# Altium PCB GEM_AFE_128.PcbDoc (part 12 of 18) (continued)
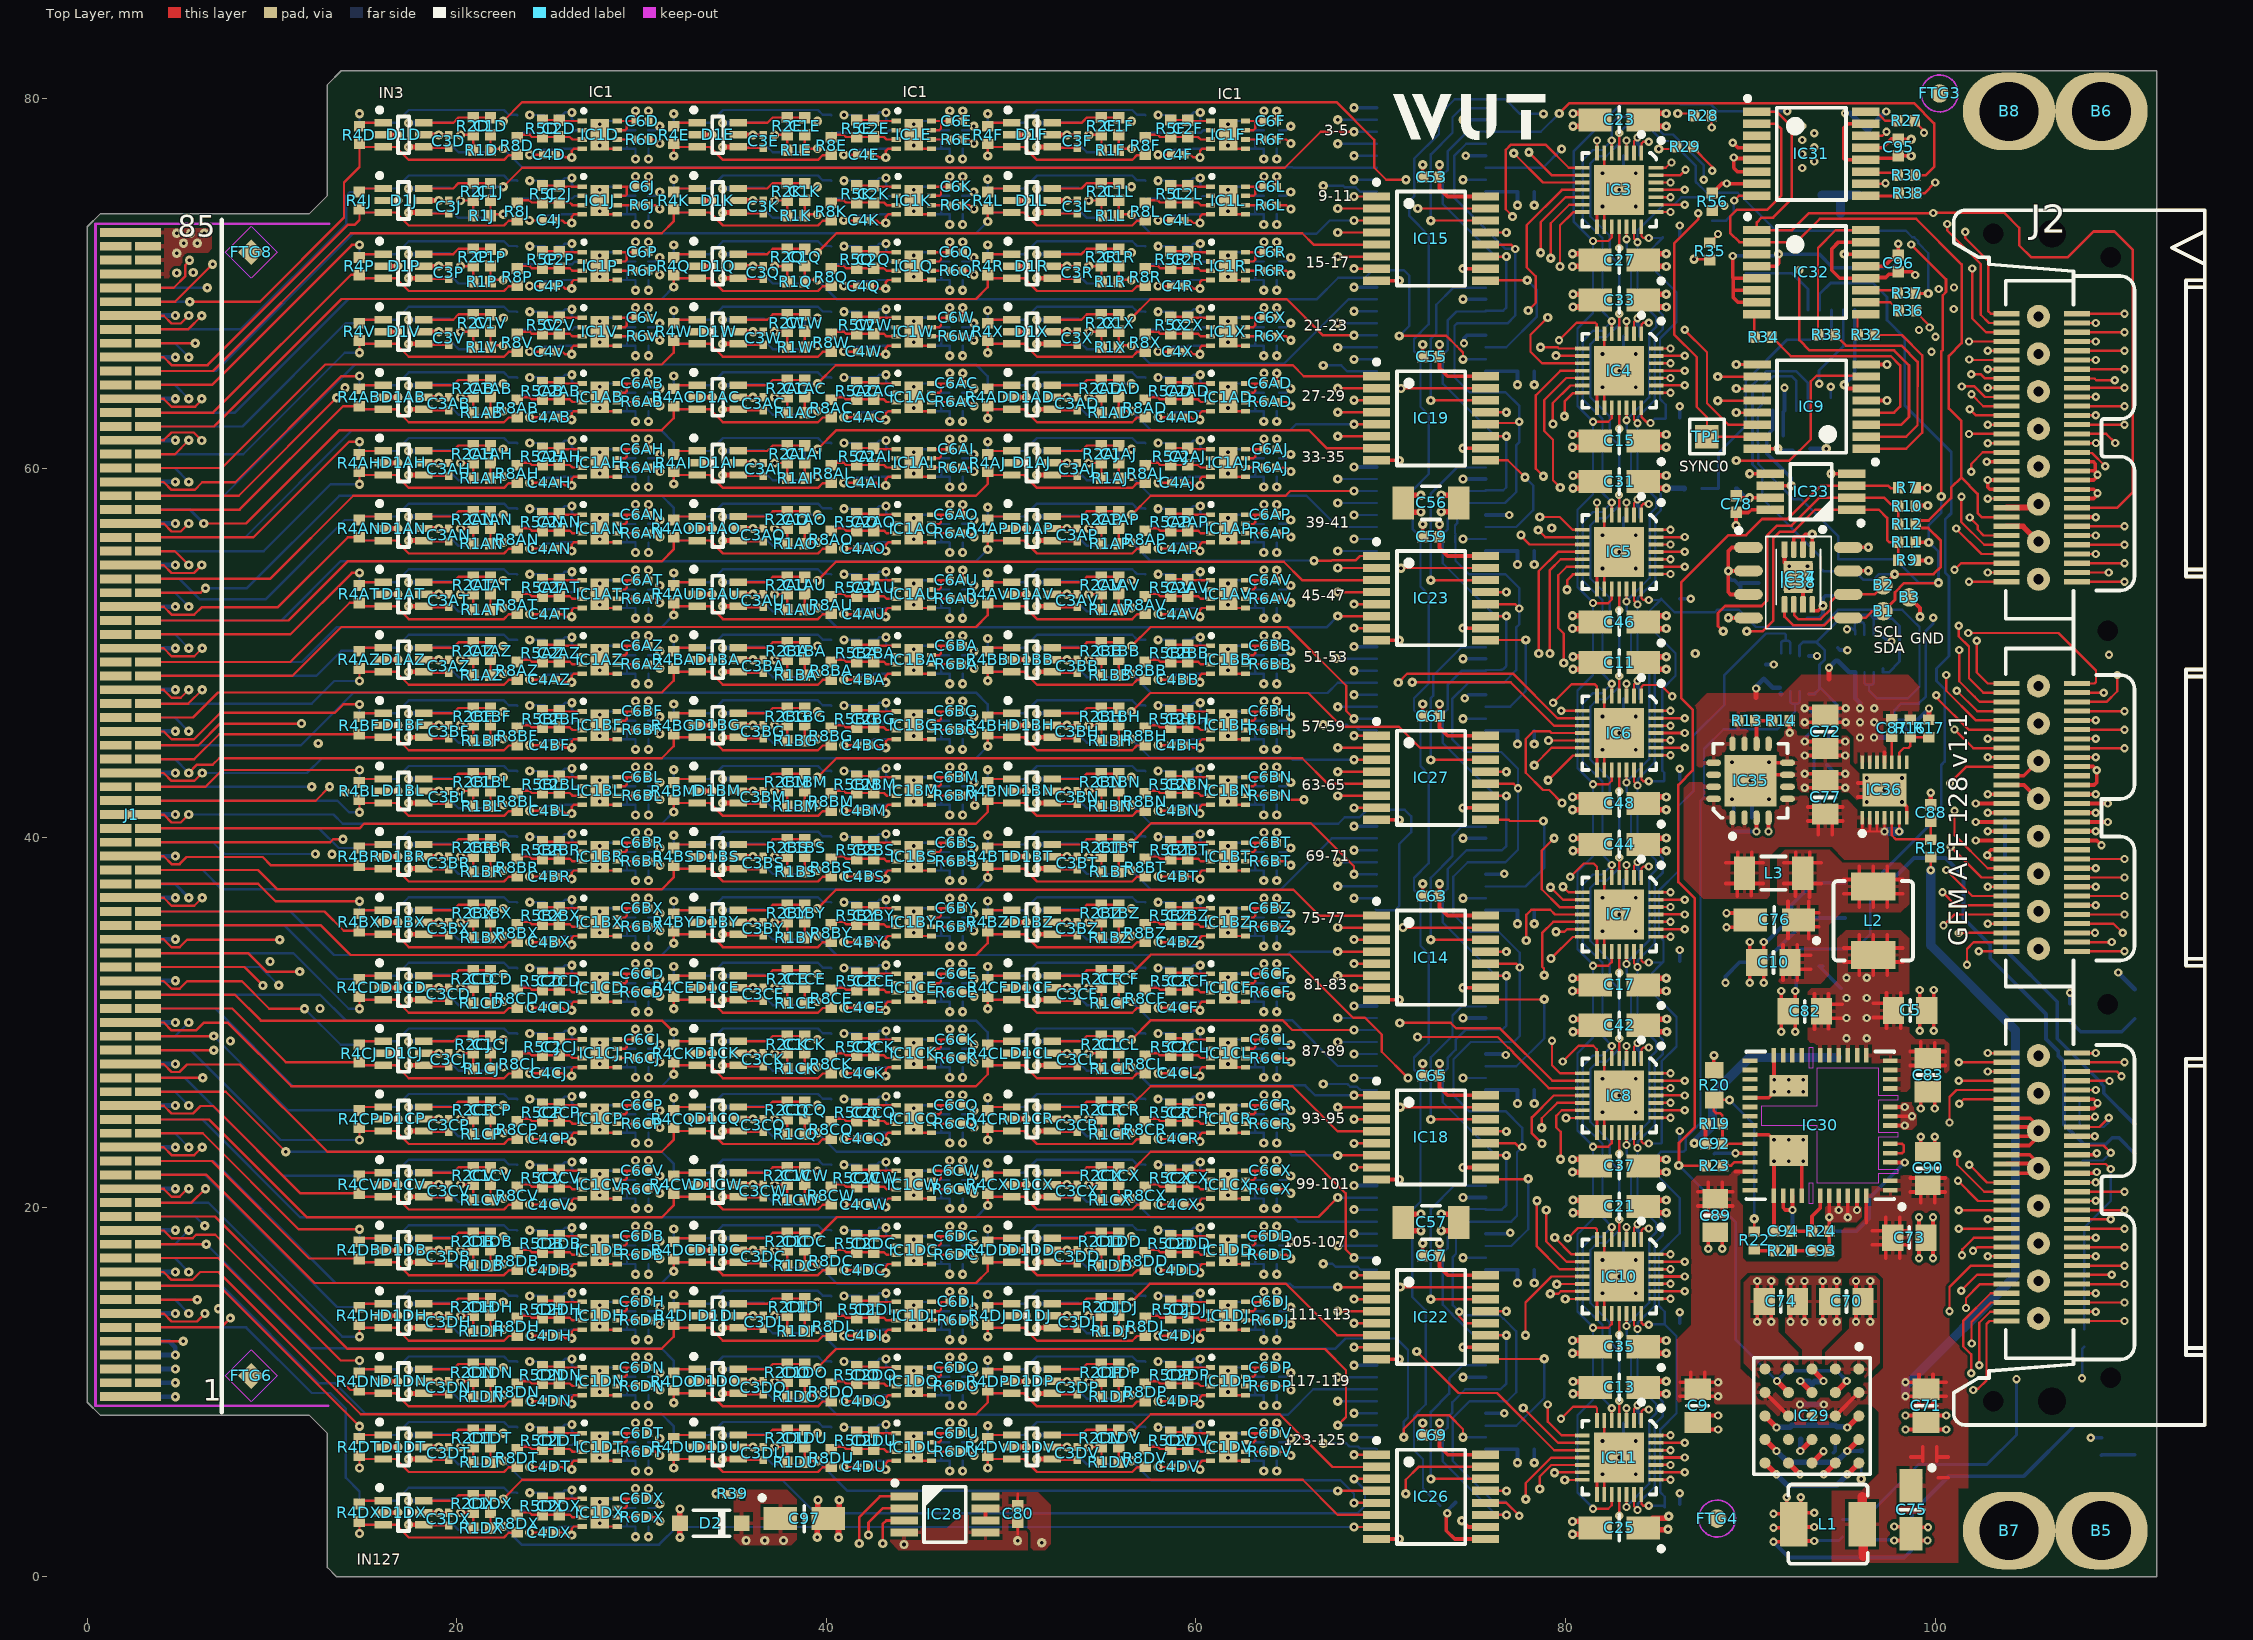
[diagram p0: Top Layer view]
## Nets (pads, with @x,y where several pads share a name; then routed paths per layer and width w, separated by ;. In a path a pad name is that pad's centre, name@x,y a point inside that pad or via, vN(x,y) a via of type N, cw(c..) or ccw(c..) an arc to the next point about the centre after c; other vN are vias at no path point) (continued)
NetC2N_1: C2N.1 IC1N.3 R5N.1 R8N.2 | length 3.3
  Bottom Layer w0.127: R8N.2@40.3,71.05 R8N.2@40.315,71.035 ; R8N.2@40.565,71.035 41.639,71.035 43.255,71.035 43.389,71.169 43.78,71.169 IC1N.3@43.786,71.175
NetC2N_2: C2N.2 IC1N.1 R5N.2 | length 2
  Bottom Layer w0.127: R5N.2@41.639,70.115 42.533,70.115 42.553,70.135 42.593,70.175 IC1N.1@43.586,70.175
NetC2O_1: C2O.1 IC1O.3 R5O.1 R8O.2 | length 3.3
  Bottom Layer w0.127: R8O.2@57.3,71.05 R8O.2@57.315,71.035 ; R8O.2@57.565,71.035 58.639,71.035 60.255,71.035 60.389,71.169 60.78,71.169 IC1O.3@60.786,71.175
NetC2O_2: C2O.2 IC1O.1 R5O.2 | length 2
  Bottom Layer w0.127: R5O.2@58.639,70.115 59.533,70.115 59.553,70.135 59.593,70.175 IC1O.1@60.586,70.175
NetC2P_1: C2P.1 IC1P.3 R5P.1 R8P.2 | length 3.5
  Top Layer w0.127: R8P.2@23.266,70.933 23.942,70.933 24.06,70.815 R5P.1@24.564,70.815 ; R8P.2@23.289,70.8 R8P.2@23.304,70.815 ; R5P.1@24.544,70.795 R5P.1@24.564,70.815 ; IC1P.3@26.575,70.675 26.258,70.675 26.118,70.815 25.543,70.815 R5P.1@24.564,70.815
NetC2P_2: C2P.2 IC1P.1 R5P.2 | length 2.2
  Top Layer w0.127: R5P.2@24.628,71.735 25.523,71.735 25.543,71.715 25.583,71.675 IC1P.1@26.775,71.675
NetC2Q_1: C2Q.1 IC1Q.3 R5Q.1 R8Q.2 | length 3.5
  Top Layer w0.127: R8Q.2@40.266,70.933 40.942,70.933 41.06,70.815 R5Q.1@41.564,70.815 ; R8Q.2@40.289,70.8 R8Q.2@40.304,70.815 ; R5Q.1@41.544,70.795 R5Q.1@41.564,70.815 ; C2Q.1@42.543,70.815 R5Q.1@41.564,70.815 ; C2Q.1@42.543,70.815 43.118,70.815 43.258,70.675 IC1Q.3@43.575,70.675
NetC2Q_2: C2Q.2 IC1Q.1 R5Q.2 | length 2.2
  Top Layer w0.127: R5Q.2@41.628,71.735 42.523,71.735 42.543,71.715 42.583,71.675 IC1Q.1@43.775,71.675
NetC2R_1: C2R.1 IC1R.3 R5R.1 R8R.2 | length 3.5
  Top Layer w0.127: R8R.2@57.266,70.933 57.942,70.933 58.06,70.815 R5R.1@58.564,70.815 ; R8R.2@57.289,70.8 R8R.2@57.304,70.815 ; R5R.1@58.544,70.795 R5R.1@58.564,70.815 ; IC1R.3@60.575,70.675 60.258,70.675 60.118,70.815 59.543,70.815 R5R.1@58.564,70.815
NetC2R_2: C2R.2 IC1R.1 R5R.2 | length 2.2
  Top Layer w0.127: R5R.2@58.628,71.735 59.523,71.735 59.543,71.715 59.583,71.675 IC1R.1@60.775,71.675
NetC2S_1: C2S.1 IC1S.3 R5S.1 R8S.2 | length 3.3
  Bottom Layer w0.127: R8S.2@23.3,67.5 R8S.2@23.315,67.485 ; R8S.2@23.565,67.485 24.639,67.485 C2S.1@25.543,67.485 26.255,67.485 26.389,67.619 26.78,67.619 IC1S.3@26.786,67.625
NetC2S_2: C2S.2 IC1S.1 R5S.2 | length 2
  Bottom Layer w0.127: R5S.2@24.639,66.565 25.533,66.565 25.553,66.585 25.593,66.625 IC1S.1@26.586,66.625
NetC2T_1: C2T.1 IC1T.3 R5T.1 R8T.2 | length 3.3
  Bottom Layer w0.127: R8T.2@40.3,67.5 R8T.2@40.315,67.485 ; R8T.2@40.565,67.485 41.639,67.485 43.255,67.485 43.389,67.619 43.78,67.619 IC1T.3@43.786,67.625
NetC2T_2: C2T.2 IC1T.1 R5T.2 | length 2
  Bottom Layer w0.127: R5T.2@41.639,66.565 42.533,66.565 42.553,66.585 42.593,66.625 IC1T.1@43.586,66.625
NetC2U_1: C2U.1 IC1U.3 R5U.1 R8U.2 | length 3.3
  Bottom Layer w0.127: R8U.2@57.3,67.5 R8U.2@57.315,67.485 ; R8U.2@57.565,67.485 58.639,67.485 60.255,67.485 60.389,67.619 60.78,67.619 IC1U.3@60.786,67.625
NetC2U_2: C2U.2 IC1U.1 R5U.2 | length 2
  Bottom Layer w0.127: R5U.2@58.639,66.565 59.533,66.565 59.553,66.585 59.593,66.625 IC1U.1@60.586,66.625
NetC2V_1: C2V.1 IC1V.3 R5V.1 R8V.2 | length 3.5
  Top Layer w0.127: R8V.2@23.266,67.383 23.942,67.383 24.06,67.265 R5V.1@24.564,67.265 ; R8V.2@23.289,67.25 R8V.2@23.304,67.265 ; R5V.1@24.544,67.245 R5V.1@24.564,67.265 ; IC1V.3@26.575,67.125 26.258,67.125 26.118,67.265 25.543,67.265 R5V.1@24.564,67.265
NetC2V_2: C2V.2 IC1V.1 R5V.2 | length 2.2
  Top Layer w0.127: R5V.2@24.628,68.185 25.523,68.185 25.543,68.165 25.583,68.125 IC1V.1@26.775,68.125
NetC2W_1: C2W.1 IC1W.3 R5W.1 R8W.2 | length 3.5
  Top Layer w0.127: R8W.2@40.266,67.383 40.942,67.383 41.06,67.265 R5W.1@41.564,67.265 ; R8W.2@40.289,67.25 R8W.2@40.304,67.265 ; R5W.1@41.544,67.245 R5W.1@41.564,67.265 ; C2W.1@42.543,67.265 R5W.1@41.564,67.265 ; C2W.1@42.543,67.265 43.118,67.265 43.258,67.125 IC1W.3@43.575,67.125
NetC2W_2: C2W.2 IC1W.1 R5W.2 | length 2.2
  Top Layer w0.127: R5W.2@41.628,68.185 42.523,68.185 42.543,68.165 42.583,68.125 IC1W.1@43.775,68.125
NetC2X_1: C2X.1 IC1X.3 R5X.1 R8X.2 | length 3.5
  Top Layer w0.127: R8X.2@57.266,67.383 57.942,67.383 58.06,67.265 R5X.1@58.564,67.265 ; R8X.2@57.289,67.25 R8X.2@57.304,67.265 ; R5X.1@58.544,67.245 R5X.1@58.564,67.265 ; IC1X.3@60.575,67.125 60.258,67.125 60.118,67.265 59.543,67.265 R5X.1@58.564,67.265
NetC2X_2: C2X.2 IC1X.1 R5X.2 | length 2.2
  Top Layer w0.127: R5X.2@58.628,68.185 59.523,68.185 59.543,68.165 59.583,68.125 IC1X.1@60.775,68.125
NetC2Y_1: C2Y.1 IC1Y.3 R5Y.1 R8Y.2 | length 3.3
  Bottom Layer w0.127: R8Y.2@23.3,63.95 R8Y.2@23.315,63.935 ; R8Y.2@23.565,63.935 24.639,63.935 26.255,63.935 26.389,64.069 26.78,64.069 IC1Y.3@26.786,64.075
NetC2Y_2: C2Y.2 IC1Y.1 R5Y.2 | length 2
  Bottom Layer w0.127: R5Y.2@24.639,63.015 25.533,63.015 25.553,63.035 25.593,63.075 IC1Y.1@26.586,63.075
NetC2Z_1: C2Z.1 IC1Z.3 R5Z.1 R8Z.2 | length 3.3
  Bottom Layer w0.127: R8Z.2@40.3,63.95 R8Z.2@40.315,63.935 ; R8Z.2@40.565,63.935 41.639,63.935 43.255,63.935 43.389,64.069 43.78,64.069 IC1Z.3@43.786,64.075
NetC2Z_2: C2Z.2 IC1Z.1 R5Z.2 | length 2
  Bottom Layer w0.127: R5Z.2@41.639,63.015 42.533,63.015 42.553,63.035 42.593,63.075 IC1Z.1@43.586,63.075
NetC9_2: C9.2 C71.2 C73.2 C75.1 C89.2 C90.2 C91.2 IC29.A2 IC29.B3 IC29.D3 IC29.E2 IC30.1 IC30.2 IC30.39 IC30.52 L1.2 R18.1 | length 72
  Top Layer w0.127: R18.1@99.755,38.948 99.755,38.25 v2(99.763,38.243)
  Top Layer w0.2: 86.197,9.77 C9.2@86.821,9.77 ; 86.2,10.53 C9.2@86.77,10.53 ; C9.2@86.77,10.279 C9.2@86.77,10.53 ; 86.77,11.054 C9.2@86.77,10.53 ; 87.147,20.07 C89.2@87.771,20.07 ; 87.15,20.83 C89.2@87.72,20.83 ; C9.2@87.479,9.77 v2(88.254,9.77) ; C9.2@87.479,10.53 C9.2@87.53,10.53 ; C9.2@87.53,10.279 C9.2@87.53,10.53 ; 87.53,11.054 C9.2@87.53,10.53 ; 87.72,19.65 C89.2@87.72,20.121 ; C89.2@87.72,20.579 87.72,21.354 ; v2(88.254,10.53) C9.2@87.53,10.53 ; C89.2@88.429,20.07 89.053,20.07 ; 88.48,19.65 C89.2@88.48,20.121 ; C89.2@88.48,20.579 88.48,21.354 ; C89.2@88.48,20.83 89.05,20.83 ; 89.2,21.925 IC30.39@89.975,21.925 ; IC29.E2@90.79,9.975 IC29.D3@92.06,8.705 ; IC29.B3@94.6,8.705 IC29.A2@95.87,9.975 ; 96.275,19.175 IC30.52@96.275,20.625 ; 96.596,17.97 C73.2@97.32,17.97 ; 96.596,18.73 C73.2@97.32,18.73 ; 97.32,17.246 C73.2@97.32,17.97 ; C73.2@97.32,18.021 C73.2@97.32,17.97 ; C73.2@97.32,18.679 C73.2@97.32,18.73 ; 97.32,19.454 C73.2@97.32,18.73 ; C73.2@97.371,17.97 C73.2@97.32,17.97 ; C73.2@97.371,18.73 C73.2@97.32,18.73 ; C73.2@98.029,17.97 C73.2@98.08,17.97 ; C73.2@98.029,18.73 C73.2@98.08,18.73 ; 98.08,17.246 C73.2@98.08,17.97 ; C73.2@98.08,18.021 C73.2@98.08,17.97 ; C73.2@98.08,18.679 C73.2@98.08,18.73 ; 98.08,19.454 C73.2@98.08,18.73 ; v2(98.396,9.77) C71.2@99.171,9.77 ; v2(98.396,10.53) C71.2@99.12,10.53 ; 98.55,17.97 C73.2@98.08,17.97 ; 98.55,18.73 C73.2@98.08,18.73 ; 98.647,20.82 C90.2@99.271,20.82 ; 98.65,21.58 C90.2@99.22,21.58 ; C75.1@98.691,5.365 C75.1@99.225,5.365 ; 98.691,6.485 99.225,6.485 ; C71.2@99.12,10.179 C71.2@99.12,10.53 ; 99.12,10.954 C71.2@99.12,10.53 ; 99.122,9.272 C71.2@99.122,9.896 ; C71.2@99.171,10.53 C71.2@99.12,10.53 ; 99.22,20.25 C90.2@99.22,20.82 ; 99.32,6.254 99.32,7.029 ; C71.2@99.829,9.77 100.604,9.77 ; C71.2@99.829,10.53 C71.2@99.88,10.53 ; C71.2@99.88,10.179 C71.2@99.88,10.53 ; 99.88,10.954 C71.2@99.88,10.53 ; 99.882,9.275 C71.2@99.882,9.845 ; C90.2@99.929,20.82 100.553,20.82 ; 99.98,20.247 C90.2@99.98,20.871 ; C90.2@99.98,21.58 100.55,21.58 ; 100.08,6.254 100.08,7.029 ; 100.175,5.365 100.709,5.365 ; 100.175,6.485 100.709,6.485 ; 100.604,10.53 C71.2@99.88,10.53
  Top Layer w0.5: 96.05,4.339 L1.2@96.05,2.85 96.103,2.797 96.103,1.114
  Bottom Layer w0.3: v2(92.683,9.328) v2(93.977,9.328)
  Bottom Layer w0.5: v2(98.396,9.77) v2(98.396,10.53) 98.604,10.53 104.35,16.276 104.35,29.584 99.763,34.171 v2(99.763,38.243)
NetC77_2: C77.2 IC35.1 IC35.2 IC35.5 IC35.15 IC35.16 IC36.1 IC36.2 IC36.3 IC36.4 IC36.6 L3.2 | length 13.7
  Top Layer w0.127: IC36.1@96.055,41.078 96.055,40.328 96.455,40.328 ; IC36.2@96.455,41.078 96.455,40.328 ; IC36.3@96.855,41.078 96.855,40.328 ; IC36.4@97.255,41.078 v2(97.255,40.328) 96.855,40.328 ; v2(98.055,40.328) IC36.6@98.055,41.078 ; 96.455,40.328 96.855,40.328
  Top Layer w0.2: 88.671,37.518 L3.2@89.205,37.518 ; 88.671,38.638 L3.2@89.205,38.638 ; 89.292,36.834 L3.2@89.292,37.404 ; L3.2@89.309,38.749 89.309,39.202 ; 90.052,36.858 L3.2@90.052,37.407 ; L3.2@90.069,38.752 90.069,39.202 ; L3.2@90.155,37.518 90.69,37.518 ; L3.2@90.155,38.638 90.69,38.638 ; 93.097,41.655 C77.2@93.721,41.655 ; 93.1,40.895 93.67,40.895 93.67,40.171 ; 94.43,40.171 94.43,40.895 95.003,40.895 ; C77.2@94.43,41.655 95,41.655
  Bottom Layer w0.5: v2(97.255,40.328) v2(98.055,40.328)
NetC84_2: C84.2 IC35.4 | length 1.5
  Top Layer w0.2: v2(90.983,40.333) IC35.4@90.983,41.077
  Bottom Layer w0.2: v2(90.983,40.333) C84.2@90.983,41.074
NetC85_1: C85.1 IC29.A3 IC29.E3 | length 5.7
  Top Layer w0.3: IC29.E3@90.79,8.705 v2(91.413,8.082) ; v2(95.247,8.082) IC29.A3@95.87,8.705
  Bottom Layer w0.3: v2(91.413,8.082) 92.132,8.082 92.25,8.2 C85.1@94.6,8.2 94.689,8.111 95.219,8.111 v2(95.247,8.082)
NetC86_2: C86.2 IC35.3 | length 2
  Top Layer w0.2: v2(90.333,40.333) IC35.3@90.333,41.077
  Bottom Layer w0.2: C86.2@89.1,40.333 v2(90.333,40.333)
NetC87_1: C87.1 IC36.10 | length 1.4
  Top Layer w0.127: IC36.10@97.655,44.078 C87.1@97.655,45.478
NetC88_2: C88.2 IC36.5 R18.2 | length 4.1
  Top Layer w0.127: IC36.5@97.655,41.078 97.655,40.128 97.881,39.903 99.741,39.903 R18.2@99.755,39.888 C88.2@99.755,40.888
NetC92_1: C92.1 IC30.36 R19.1 R20.2 R22.2 | length 12.4
  Top Layer w0.14: R20.2@88.041,25.805 88.025,25.79 88.025,25.212 88.142,25.095 88.36,25.095 88.477,24.978 R19.1@88.477,24.558 ; R20.2@88.166,25.809 v1@88.864,25.809 ; R19.1@88.477,24.413 88.511,24.38 88.491,24.36 C92.1@88.491,23.43 88.496,23.425 IC30.36@89.975,23.425 ; R22.2@90.2,18.67 v1@90.2,19.369
  Top Layer w0.2: v1@90.2,19.369 v1(90.205,19.374)
  Bottom Layer w0.14: v1(88.869,25.804) 90.205,24.468 v1(90.205,19.374)
NetC93_1: C93.1 R21.1 | length 1.1
  Top Layer w0.2: R21.1@92.22,17.65 C93.1@93.35,17.65
NetC93_2: C93.2 IC30.8 IC30.9 IC30.10 IC30.48 IC30.49 IC30.50 IC30.51 R24.2 | length 8.4
  Top Layer w0.2: C93.2@94.25,17.65 94.27,17.67 R24.2@94.27,18.7 94.276,18.706 v2(94.276,19.452) ; v2@94.275,19.453 IC30.48@94.275,20.625 ; v2(94.775,19.85) IC30.49@94.775,20.625 ; v2(95.276,19.452) IC30.50@95.275,20.625 ; v2(95.775,19.85) IC30.51@95.775,20.625 ; IC30.8@97.575,24.425 v2(98.35,24.425) ; IC30.9@97.575,24.925 v2@98.747,24.925 ; IC30.10@97.575,25.425 v2(98.35,25.425)
  other v2: 98.748,24.926
NetC94_2: C94.2 IC30.47 R24.1 | length 3.2
  Top Layer w0.2: C94.2@92.2,18.7 R24.1@93.33,18.7 93.33,19.509 93.775,19.954 IC30.47@93.775,20.625
NetD1A_1: D1A.1 R4A.2 | length 1.4
  Bottom Layer w0.127: R4A.2@14.736,77.563 14.924,77.375 D1A.1@16.025,77.375
NetD1AA_1: D1AA.1 R4AA.2 | length 1.4
  Bottom Layer w0.127: R4AA.2@48.736,63.363 48.924,63.175 D1AA.1@50.025,63.175
NetD1AB_1: D1AB.1 R4AB.2 | length 1.4
  Top Layer w0.127: R4AB.2@14.736,64.303 14.908,64.475 D1AB.1@16.025,64.475
NetD1AC_1: D1AC.1 R4AC.2 | length 1.4
  Top Layer w0.127: R4AC.2@31.736,64.303 31.908,64.475 D1AC.1@33.025,64.475
NetD1AD_1: D1AD.1 R4AD.2 | length 1.4
  Top Layer w0.127: R4AD.2@48.736,64.303 48.908,64.475 D1AD.1@50.025,64.475
NetD1AE_1: D1AE.1 R4AE.2 | length 1.4
  Bottom Layer w0.127: R4AE.2@14.736,59.813 14.924,59.625 D1AE.1@16.025,59.625
NetD1AF_1: D1AF.1 R4AF.2 | length 1.4
  Bottom Layer w0.127: R4AF.2@31.736,59.813 31.924,59.625 D1AF.1@33.025,59.625
NetD1AG_1: D1AG.1 R4AG.2 | length 1.4
  Bottom Layer w0.127: R4AG.2@48.736,59.813 48.924,59.625 D1AG.1@50.025,59.625
NetD1AH_1: D1AH.1 R4AH.2 | length 1.4
  Top Layer w0.127: R4AH.2@14.736,60.753 14.908,60.925 D1AH.1@16.025,60.925
NetD1AI_1: D1AI.1 R4AI.2 | length 1.4
  Top Layer w0.127: R4AI.2@31.736,60.753 31.908,60.925 D1AI.1@33.025,60.925
NetD1AJ_1: D1AJ.1 R4AJ.2 | length 1.4
  Top Layer w0.127: R4AJ.2@48.736,60.753 48.908,60.925 D1AJ.1@50.025,60.925
NetD1AK_1: D1AK.1 R4AK.2 | length 1.4
  Bottom Layer w0.127: R4AK.2@14.736,56.263 14.924,56.075 D1AK.1@16.025,56.075
NetD1AL_1: D1AL.1 R4AL.2 | length 1.4
  Bottom Layer w0.127: R4AL.2@31.736,56.263 31.924,56.075 D1AL.1@33.025,56.075
NetD1AM_1: D1AM.1 R4AM.2 | length 1.4
  Bottom Layer w0.127: R4AM.2@48.736,56.263 48.924,56.075 D1AM.1@50.025,56.075
NetD1AN_1: D1AN.1 R4AN.2 | length 1.4
  Top Layer w0.127: R4AN.2@14.736,57.203 14.908,57.375 D1AN.1@16.025,57.375
NetD1AO_1: D1AO.1 R4AO.2 | length 1.4
  Top Layer w0.127: R4AO.2@31.736,57.203 31.908,57.375 D1AO.1@33.025,57.375
NetD1AP_1: D1AP.1 R4AP.2 | length 1.4
  Top Layer w0.127: R4AP.2@48.736,57.203 48.908,57.375 D1AP.1@50.025,57.375
NetD1AQ_1: D1AQ.1 R4AQ.2 | length 1.4
  Bottom Layer w0.127: R4AQ.2@14.736,52.713 14.924,52.525 D1AQ.1@16.025,52.525
NetD1AR_1: D1AR.1 R4AR.2 | length 1.4
  Bottom Layer w0.127: R4AR.2@31.736,52.713 31.924,52.525 D1AR.1@33.025,52.525
NetD1AS_1: D1AS.1 R4AS.2 | length 1.4
  Bottom Layer w0.127: R4AS.2@48.736,52.713 48.924,52.525 D1AS.1@50.025,52.525
NetD1AT_1: D1AT.1 R4AT.2 | length 1.4
  Top Layer w0.127: R4AT.2@14.736,53.653 14.908,53.825 D1AT.1@16.025,53.825
NetD1AU_1: D1AU.1 R4AU.2 | length 1.4
  Top Layer w0.127: R4AU.2@31.736,53.653 31.908,53.825 D1AU.1@33.025,53.825
NetD1AV_1: D1AV.1 R4AV.2 | length 1.4
  Top Layer w0.127: R4AV.2@48.736,53.653 48.908,53.825 D1AV.1@50.025,53.825
NetD1AW_1: D1AW.1 R4AW.2 | length 1.4
  Bottom Layer w0.127: R4AW.2@14.736,49.163 14.924,48.975 D1AW.1@16.025,48.975
NetD1AX_1: D1AX.1 R4AX.2 | length 1.4
  Bottom Layer w0.127: R4AX.2@31.736,49.163 31.924,48.975 D1AX.1@33.025,48.975
NetD1AY_1: D1AY.1 R4AY.2 | length 1.4
  Bottom Layer w0.127: R4AY.2@48.736,49.163 48.924,48.975 D1AY.1@50.025,48.975
NetD1AZ_1: D1AZ.1 R4AZ.2 | length 1.4
  Top Layer w0.127: R4AZ.2@14.736,50.103 14.908,50.275 D1AZ.1@16.025,50.275
NetD1B_1: D1B.1 R4B.2 | length 1.4
  Bottom Layer w0.127: R4B.2@31.736,77.563 31.924,77.375 D1B.1@33.025,77.375
NetD1BA_1: D1BA.1 R4BA.2 | length 1.4
  Top Layer w0.127: R4BA.2@31.736,50.103 31.908,50.275 D1BA.1@33.025,50.275
NetD1BB_1: D1BB.1 R4BB.2 | length 1.4
  Top Layer w0.127: R4BB.2@48.736,50.103 48.908,50.275 D1BB.1@50.025,50.275
NetD1BC_1: D1BC.1 R4BC.2 | length 1.4
  Bottom Layer w0.127: R4BC.2@14.736,45.613 14.924,45.425 D1BC.1@16.025,45.425
NetD1BD_1: D1BD.1 R4BD.2 | length 1.4
  Bottom Layer w0.127: R4BD.2@31.736,45.613 31.924,45.425 D1BD.1@33.025,45.425
NetD1BE_1: D1BE.1 R4BE.2 | length 1.4
  Bottom Layer w0.127: R4BE.2@48.736,45.613 48.924,45.425 D1BE.1@50.025,45.425
NetD1BF_1: D1BF.1 R4BF.2 | length 1.4
  Top Layer w0.127: R4BF.2@14.736,46.553 14.908,46.725 D1BF.1@16.025,46.725
NetD1BG_1: D1BG.1 R4BG.2 | length 1.4
  Top Layer w0.127: R4BG.2@31.736,46.553 31.908,46.725 D1BG.1@33.025,46.725
NetD1BH_1: D1BH.1 R4BH.2 | length 1.4
  Top Layer w0.127: R4BH.2@48.736,46.553 48.908,46.725 D1BH.1@50.025,46.725
NetD1BI_1: D1BI.1 R4BI.2 | length 1.4
  Bottom Layer w0.127: R4BI.2@14.736,42.063 14.924,41.875 D1BI.1@16.025,41.875
NetD1BJ_1: D1BJ.1 R4BJ.2 | length 1.4
  Bottom Layer w0.127: R4BJ.2@31.736,42.063 31.924,41.875 D1BJ.1@33.025,41.875
NetD1BK_1: D1BK.1 R4BK.2 | length 1.4
  Bottom Layer w0.127: R4BK.2@48.736,42.063 48.924,41.875 D1BK.1@50.025,41.875
NetD1BL_1: D1BL.1 R4BL.2 | length 1.4
  Top Layer w0.127: R4BL.2@14.736,43.003 14.908,43.175 D1BL.1@16.025,43.175
NetD1BM_1: D1BM.1 R4BM.2 | length 1.4
  Top Layer w0.127: R4BM.2@31.736,43.003 31.908,43.175 D1BM.1@33.025,43.175
NetD1BN_1: D1BN.1 R4BN.2 | length 1.4
  Top Layer w0.127: R4BN.2@48.736,43.003 48.908,43.175 D1BN.1@50.025,43.175
NetD1BO_1: D1BO.1 R4BO.2 | length 1.4
  Bottom Layer w0.127: R4BO.2@14.736,38.513 14.924,38.325 D1BO.1@16.025,38.325
NetD1BP_1: D1BP.1 R4BP.2 | length 1.4
  Bottom Layer w0.127: R4BP.2@31.736,38.513 31.924,38.325 D1BP.1@33.025,38.325
NetD1BQ_1: D1BQ.1 R4BQ.2 | length 1.4
  Bottom Layer w0.127: R4BQ.2@48.736,38.513 48.924,38.325 D1BQ.1@50.025,38.325
NetD1BR_1: D1BR.1 R4BR.2 | length 1.4
  Top Layer w0.127: R4BR.2@14.736,39.453 14.908,39.625 D1BR.1@16.025,39.625
NetD1BS_1: D1BS.1 R4BS.2 | length 1.4
  Top Layer w0.127: R4BS.2@31.736,39.453 31.908,39.625 D1BS.1@33.025,39.625
NetD1BT_1: D1BT.1 R4BT.2 | length 1.4
  Top Layer w0.127: R4BT.2@48.736,39.453 48.908,39.625 D1BT.1@50.025,39.625
NetD1BU_1: D1BU.1 R4BU.2 | length 1.4
  Bottom Layer w0.127: R4BU.2@14.736,34.963 14.924,34.775 D1BU.1@16.025,34.775
NetD1BV_1: D1BV.1 R4BV.2 | length 1.4
  Bottom Layer w0.127: R4BV.2@31.736,34.963 31.924,34.775 D1BV.1@33.025,34.775
NetD1BW_1: D1BW.1 R4BW.2 | length 1.4
  Bottom Layer w0.127: R4BW.2@48.736,34.963 48.924,34.775 D1BW.1@50.025,34.775
NetD1BX_1: D1BX.1 R4BX.2 | length 1.4
  Top Layer w0.127: R4BX.2@14.736,35.903 14.908,36.075 D1BX.1@16.025,36.075
NetD1BY_1: D1BY.1 R4BY.2 | length 1.4
  Top Layer w0.127: R4BY.2@31.736,35.903 31.908,36.075 D1BY.1@33.025,36.075
NetD1BZ_1: D1BZ.1 R4BZ.2 | length 1.4
  Top Layer w0.127: R4BZ.2@48.736,35.903 48.908,36.075 D1BZ.1@50.025,36.075
NetD1C_1: D1C.1 R4C.2 | length 1.4
  Bottom Layer w0.127: R4C.2@48.736,77.563 48.924,77.375 D1C.1@50.025,77.375
NetD1CA_1: D1CA.1 R4CA.2 | length 1.4
  Bottom Layer w0.127: R4CA.2@14.736,31.413 14.924,31.225 D1CA.1@16.025,31.225
NetD1CB_1: D1CB.1 R4CB.2 | length 1.4
  Bottom Layer w0.127: R4CB.2@31.736,31.413 31.924,31.225 D1CB.1@33.025,31.225
NetD1CC_1: D1CC.1 R4CC.2 | length 1.4
  Bottom Layer w0.127: R4CC.2@48.736,31.413 48.924,31.225 D1CC.1@50.025,31.225
NetD1CD_1: D1CD.1 R4CD.2 | length 1.4
  Top Layer w0.127: R4CD.2@14.736,32.353 14.908,32.525 D1CD.1@16.025,32.525
NetD1CE_1: D1CE.1 R4CE.2 | length 1.4
  Top Layer w0.127: R4CE.2@31.736,32.353 31.908,32.525 D1CE.1@33.025,32.525
NetD1CF_1: D1CF.1 R4CF.2 | length 1.4
  Top Layer w0.127: R4CF.2@48.736,32.353 48.908,32.525 D1CF.1@50.025,32.525
NetD1CG_1: D1CG.1 R4CG.2 | length 1.4
  Bottom Layer w0.127: R4CG.2@14.736,27.863 14.924,27.675 D1CG.1@16.025,27.675
NetD1CH_1: D1CH.1 R4CH.2 | length 1.4
  Bottom Layer w0.127: R4CH.2@31.736,27.863 31.924,27.675 D1CH.1@33.025,27.675
NetD1CI_1: D1CI.1 R4CI.2 | length 1.4
  Bottom Layer w0.127: R4CI.2@48.736,27.863 48.924,27.675 D1CI.1@50.025,27.675
NetD1CJ_1: D1CJ.1 R4CJ.2 | length 1.4
  Top Layer w0.127: R4CJ.2@14.736,28.803 14.908,28.975 D1CJ.1@16.025,28.975
NetD1CK_1: D1CK.1 R4CK.2 | length 1.4
  Top Layer w0.127: R4CK.2@31.736,28.803 31.908,28.975 D1CK.1@33.025,28.975
NetD1CL_1: D1CL.1 R4CL.2 | length 1.4
  Top Layer w0.127: R4CL.2@48.736,28.803 48.908,28.975 D1CL.1@50.025,28.975
NetD1CM_1: D1CM.1 R4CM.2 | length 1.4
  Bottom Layer w0.127: R4CM.2@14.736,24.313 14.924,24.125 D1CM.1@16.025,24.125
NetD1CN_1: D1CN.1 R4CN.2 | length 1.4
  Bottom Layer w0.127: R4CN.2@31.736,24.313 31.924,24.125 D1CN.1@33.025,24.125
NetD1CO_1: D1CO.1 R4CO.2 | length 1.4
  Bottom Layer w0.127: R4CO.2@48.736,24.313 48.924,24.125 D1CO.1@50.025,24.125
NetD1CP_1: D1CP.1 R4CP.2 | length 1.4
  Top Layer w0.127: R4CP.2@14.736,25.253 14.908,25.425 D1CP.1@16.025,25.425
NetD1CQ_1: D1CQ.1 R4CQ.2 | length 1.4
  Top Layer w0.127: R4CQ.2@31.736,25.253 31.908,25.425 D1CQ.1@33.025,25.425
NetD1CR_1: D1CR.1 R4CR.2 | length 1.4
  Top Layer w0.127: R4CR.2@48.736,25.253 48.908,25.425 D1CR.1@50.025,25.425
NetD1CS_1: D1CS.1 R4CS.2 | length 1.4
  Bottom Layer w0.127: R4CS.2@14.736,20.763 14.924,20.575 D1CS.1@16.025,20.575
NetD1CT_1: D1CT.1 R4CT.2 | length 1.4
  Bottom Layer w0.127: R4CT.2@31.736,20.763 31.924,20.575 D1CT.1@33.025,20.575
NetD1CU_1: D1CU.1 R4CU.2 | length 1.4
  Bottom Layer w0.127: R4CU.2@48.736,20.763 48.924,20.575 D1CU.1@50.025,20.575
NetD1CV_1: D1CV.1 R4CV.2 | length 1.4
  Top Layer w0.127: R4CV.2@14.736,21.703 14.908,21.875 D1CV.1@16.025,21.875
NetD1CW_1: D1CW.1 R4CW.2 | length 1.4
  Top Layer w0.127: R4CW.2@31.736,21.703 31.908,21.875 D1CW.1@33.025,21.875
NetD1CX_1: D1CX.1 R4CX.2 | length 1.4
  Top Layer w0.127: R4CX.2@48.736,21.703 48.908,21.875 D1CX.1@50.025,21.875
NetD1CY_1: D1CY.1 R4CY.2 | length 1.4
  Bottom Layer w0.127: R4CY.2@14.736,17.213 14.924,17.025 D1CY.1@16.025,17.025
NetD1CZ_1: D1CZ.1 R4CZ.2 | length 1.4
  Bottom Layer w0.127: R4CZ.2@31.736,17.213 31.924,17.025 D1CZ.1@33.025,17.025
NetD1D_1: D1D.1 R4D.2 | length 1.4
  Top Layer w0.127: R4D.2@14.736,78.503 14.908,78.675 D1D.1@16.025,78.675
NetD1DA_1: D1DA.1 R4DA.2 | length 1.4
  Bottom Layer w0.127: R4DA.2@48.736,17.213 48.924,17.025 D1DA.1@50.025,17.025
NetD1DB_1: D1DB.1 R4DB.2 | length 1.4
  Top Layer w0.127: R4DB.2@14.736,18.153 14.908,18.325 D1DB.1@16.025,18.325
NetD1DC_1: D1DC.1 R4DC.2 | length 1.4
  Top Layer w0.127: R4DC.2@31.736,18.153 31.908,18.325 D1DC.1@33.025,18.325
NetD1DD_1: D1DD.1 R4DD.2 | length 1.4
  Top Layer w0.127: R4DD.2@48.736,18.153 48.908,18.325 D1DD.1@50.025,18.325
NetD1DE_1: D1DE.1 R4DE.2 | length 1.4
  Bottom Layer w0.127: R4DE.2@14.736,13.663 14.924,13.475 D1DE.1@16.025,13.475
NetD1DF_1: D1DF.1 R4DF.2 | length 1.4
  Bottom Layer w0.127: R4DF.2@31.736,13.663 31.924,13.475 D1DF.1@33.025,13.475
NetD1DG_1: D1DG.1 R4DG.2 | length 1.4
  Bottom Layer w0.127: R4DG.2@48.736,13.663 48.924,13.475 D1DG.1@50.025,13.475
NetD1DH_1: D1DH.1 R4DH.2 | length 1.4
  Top Layer w0.127: R4DH.2@14.736,14.603 14.908,14.775 D1DH.1@16.025,14.775
NetD1DI_1: D1DI.1 R4DI.2 | length 1.4
  Top Layer w0.127: R4DI.2@31.736,14.603 31.908,14.775 D1DI.1@33.025,14.775
NetD1DJ_1: D1DJ.1 R4DJ.2 | length 1.4
  Top Layer w0.127: R4DJ.2@48.736,14.603 48.908,14.775 D1DJ.1@50.025,14.775
NetD1DK_1: D1DK.1 R4DK.2 | length 1.4
  Bottom Layer w0.127: R4DK.2@14.736,10.113 14.924,9.925 D1DK.1@16.025,9.925
NetD1DL_1: D1DL.1 R4DL.2 | length 1.4
  Bottom Layer w0.127: R4DL.2@31.736,10.113 31.924,9.925 D1DL.1@33.025,9.925
NetD1DM_1: D1DM.1 R4DM.2 | length 1.4
  Bottom Layer w0.127: R4DM.2@48.736,10.113 48.924,9.925 D1DM.1@50.025,9.925
NetD1DN_1: D1DN.1 R4DN.2 | length 1.4
  Top Layer w0.127: R4DN.2@14.736,11.053 14.908,11.225 D1DN.1@16.025,11.225
NetD1DO_1: D1DO.1 R4DO.2 | length 1.4
  Top Layer w0.127: R4DO.2@31.736,11.053 31.908,11.225 D1DO.1@33.025,11.225
NetD1DP_1: D1DP.1 R4DP.2 | length 1.4
  Top Layer w0.127: R4DP.2@48.736,11.053 48.908,11.225 D1DP.1@50.025,11.225
NetD1DQ_1: D1DQ.1 R4DQ.2 | length 1.4
  Bottom Layer w0.127: R4DQ.2@14.736,6.563 14.924,6.375 D1DQ.1@16.025,6.375
NetD1DR_1: D1DR.1 R4DR.2 | length 1.4
  Bottom Layer w0.127: R4DR.2@31.736,6.563 31.924,6.375 D1DR.1@33.025,6.375
NetD1DS_1: D1DS.1 R4DS.2 | length 1.4
  Bottom Layer w0.127: R4DS.2@48.736,6.563 48.924,6.375 D1DS.1@50.025,6.375
NetD1DT_1: D1DT.1 R4DT.2 | length 1.4
  Top Layer w0.127: R4DT.2@14.736,7.503 14.908,7.675 D1DT.1@16.025,7.675
NetD1DU_1: D1DU.1 R4DU.2 | length 1.4
  Top Layer w0.127: R4DU.2@31.736,7.503 31.908,7.675 D1DU.1@33.025,7.675
NetD1DV_1: D1DV.1 R4DV.2 | length 1.4
  Top Layer w0.127: R4DV.2@48.736,7.503 48.908,7.675 D1DV.1@50.025,7.675
NetD1DW_1: D1DW.1 R4DW.2 | length 1.4
  Bottom Layer w0.127: R4DW.2@14.736,3.013 14.924,2.825 D1DW.1@16.025,2.825
NetD1DX_1: D1DX.1 R4DX.2 | length 1.4
  Top Layer w0.127: R4DX.2@14.736,3.953 14.908,4.125 D1DX.1@16.025,4.125
NetD1E_1: D1E.1 R4E.2 | length 1.4
  Top Layer w0.127: R4E.2@31.736,78.503 31.908,78.675 D1E.1@33.025,78.675
NetD1F_1: D1F.1 R4F.2 | length 1.4
  Top Layer w0.127: R4F.2@48.736,78.503 48.908,78.675 D1F.1@50.025,78.675
NetD1G_1: D1G.1 R4G.2 | length 1.4
  Bottom Layer w0.127: R4G.2@14.736,74.013 14.924,73.825 D1G.1@16.025,73.825
NetD1H_1: D1H.1 R4H.2 | length 1.4
  Bottom Layer w0.127: R4H.2@31.736,74.013 31.924,73.825 D1H.1@33.025,73.825
NetD1I_1: D1I.1 R4I.2 | length 1.4
  Bottom Layer w0.127: R4I.2@48.736,74.013 48.924,73.825 D1I.1@50.025,73.825
NetD1J_1: D1J.1 R4J.2 | length 1.4
  Top Layer w0.127: R4J.2@14.736,74.953 14.908,75.125 D1J.1@16.025,75.125
NetD1K_1: D1K.1 R4K.2 | length 1.4
  Top Layer w0.127: R4K.2@31.736,74.953 31.908,75.125 D1K.1@33.025,75.125
NetD1L_1: D1L.1 R4L.2 | length 1.4
  Top Layer w0.127: R4L.2@48.736,74.953 48.908,75.125 D1L.1@50.025,75.125
NetD1M_1: D1M.1 R4M.2 | length 1.4
  Bottom Layer w0.127: R4M.2@14.736,70.463 14.924,70.275 D1M.1@16.025,70.275
NetD1N_1: D1N.1 R4N.2 | length 1.4
  Bottom Layer w0.127: R4N.2@31.736,70.463 31.924,70.275 D1N.1@33.025,70.275
NetD1O_1: D1O.1 R4O.2 | length 1.4
  Bottom Layer w0.127: R4O.2@48.736,70.463 48.924,70.275 D1O.1@50.025,70.275
NetD1P_1: D1P.1 R4P.2 | length 1.4
  Top Layer w0.127: R4P.2@14.736,71.403 14.908,71.575 D1P.1@16.025,71.575
NetD1Q_1: D1Q.1 R4Q.2 | length 1.4
  Top Layer w0.127: R4Q.2@31.736,71.403 31.908,71.575 D1Q.1@33.025,71.575
NetD1R_1: D1R.1 R4R.2 | length 1.4
  Top Layer w0.127: R4R.2@48.736,71.403 48.908,71.575 D1R.1@50.025,71.575
NetD1S_1: D1S.1 R4S.2 | length 1.4
  Bottom Layer w0.127: R4S.2@14.736,66.913 14.924,66.725 D1S.1@16.025,66.725
NetD1T_1: D1T.1 R4T.2 | length 1.4
  Bottom Layer w0.127: R4T.2@31.736,66.913 31.924,66.725 D1T.1@33.025,66.725
NetD1U_1: D1U.1 R4U.2 | length 1.4
  Bottom Layer w0.127: R4U.2@48.736,66.913 48.924,66.725 D1U.1@50.025,66.725
NetD1V_1: D1V.1 R4V.2 | length 1.4
  Top Layer w0.127: R4V.2@14.736,67.853 14.908,68.025 D1V.1@16.025,68.025
NetD1W_1: D1W.1 R4W.2 | length 1.4
  Top Layer w0.127: R4W.2@31.736,67.853 31.908,68.025 D1W.1@33.025,68.025
NetD1X_1: D1X.1 R4X.2 | length 1.4
  Top Layer w0.127: R4X.2@48.736,67.853 48.908,68.025 D1X.1@50.025,68.025
NetD1Y_1: D1Y.1 R4Y.2 | length 1.4
  Bottom Layer w0.127: R4Y.2@14.736,63.363 14.924,63.175 D1Y.1@16.025,63.175
NetD1Z_1: D1Z.1 R4Z.2 | length 1.4
  Bottom Layer w0.127: R4Z.2@31.736,63.363 31.924,63.175 D1Z.1@33.025,63.175
NetIC1A_6: IC1A.6 R6A.1 | length 1
  Bottom Layer w0.127: IC1A.6@28.686,78.275 R6A.1@29.664,78.275
NetIC1AA_6: IC1AA.6 R6AA.1 | length 1
  Bottom Layer w0.127: IC1AA.6@62.686,64.075 R6AA.1@63.664,64.075
NetIC1AB_6: IC1AB.6 R6AB.1 | length 1
  Top Layer w0.127: IC1AB.6@28.675,63.575 R6AB.1@29.653,63.575
NetIC1AC_6: IC1AC.6 R6AC.1 | length 1
  Top Layer w0.127: IC1AC.6@45.675,63.575 R6AC.1@46.653,63.575
NetIC1AD_6: IC1AD.6 R6AD.1 | length 1
  Top Layer w0.127: IC1AD.6@62.675,63.575 R6AD.1@63.653,63.575
NetIC1AE_6: IC1AE.6 R6AE.1 | length 1
  Bottom Layer w0.127: IC1AE.6@28.686,60.525 R6AE.1@29.664,60.525
NetIC1AF_6: IC1AF.6 R6AF.1 | length 1
  Bottom Layer w0.127: IC1AF.6@45.686,60.525 R6AF.1@46.664,60.525
NetIC1AG_6: IC1AG.6 R6AG.1 | length 1
  Bottom Layer w0.127: IC1AG.6@62.686,60.525 R6AG.1@63.664,60.525
NetIC1AH_6: IC1AH.6 R6AH.1 | length 1
  Top Layer w0.127: IC1AH.6@28.675,60.025 R6AH.1@29.653,60.025
NetIC1AI_6: IC1AI.6 R6AI.1 | length 1
  Top Layer w0.127: IC1AI.6@45.675,60.025 R6AI.1@46.653,60.025
NetIC1AJ_6: IC1AJ.6 R6AJ.1 | length 1
  Top Layer w0.127: IC1AJ.6@62.675,60.025 R6AJ.1@63.653,60.025
NetIC1AK_6: IC1AK.6 R6AK.1 | length 1
  Bottom Layer w0.127: IC1AK.6@28.686,56.975 R6AK.1@29.664,56.975
NetIC1AL_6: IC1AL.6 R6AL.1 | length 1
  Bottom Layer w0.127: IC1AL.6@45.686,56.975 R6AL.1@46.664,56.975
NetIC1AM_6: IC1AM.6 R6AM.1 | length 1
  Bottom Layer w0.127: IC1AM.6@62.686,56.975 R6AM.1@63.664,56.975
NetIC1AN_6: IC1AN.6 R6AN.1 | length 1
  Top Layer w0.127: IC1AN.6@28.675,56.475 R6AN.1@29.653,56.475
NetIC1AO_6: IC1AO.6 R6AO.1 | length 1
  Top Layer w0.127: IC1AO.6@45.675,56.475 R6AO.1@46.653,56.475
NetIC1AP_6: IC1AP.6 R6AP.1 | length 1
  Top Layer w0.127: IC1AP.6@62.675,56.475 R6AP.1@63.653,56.475
NetIC1AQ_6: IC1AQ.6 R6AQ.1 | length 1
  Bottom Layer w0.127: IC1AQ.6@28.686,53.425 R6AQ.1@29.664,53.425
NetIC1AR_6: IC1AR.6 R6AR.1 | length 1
  Bottom Layer w0.127: IC1AR.6@45.686,53.425 R6AR.1@46.664,53.425
NetIC1AS_6: IC1AS.6 R6AS.1 | length 1
  Bottom Layer w0.127: IC1AS.6@62.686,53.425 R6AS.1@63.664,53.425
NetIC1AT_6: IC1AT.6 R6AT.1 | length 1
  Top Layer w0.127: IC1AT.6@28.675,52.925 R6AT.1@29.653,52.925
NetIC1AU_6: IC1AU.6 R6AU.1 | length 1
  Top Layer w0.127: IC1AU.6@45.675,52.925 R6AU.1@46.653,52.925
NetIC1AV_6: IC1AV.6 R6AV.1 | length 1
  Top Layer w0.127: IC1AV.6@62.675,52.925 R6AV.1@63.653,52.925